# Altium PCB ADV7611采集卡.PcbDoc (part 2 of 2) (continued)
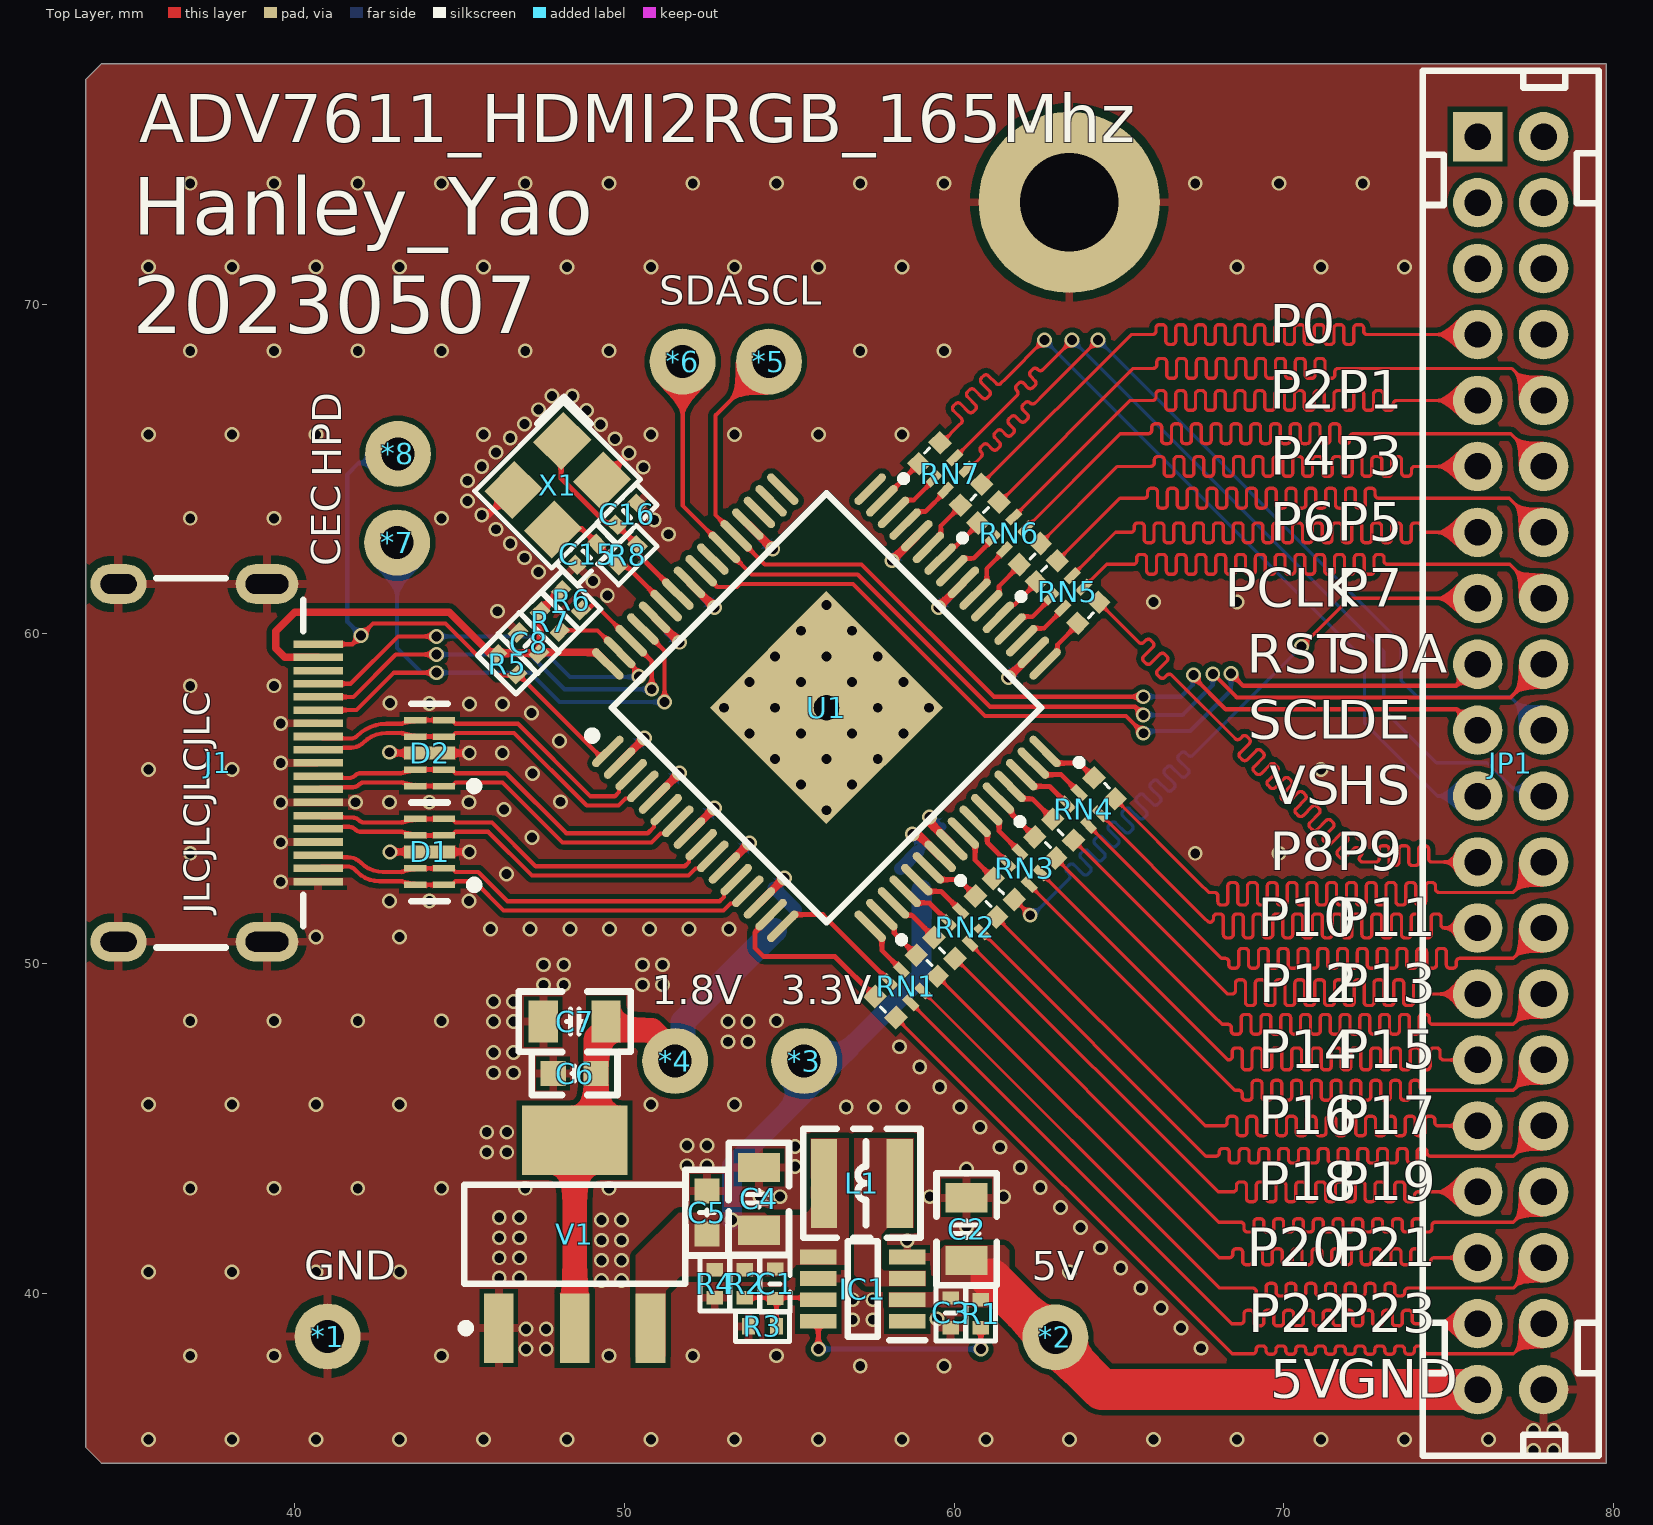
[diagram p0: Top Layer view]
## Nets (pads, with @x,y where several pads share a name; then routed paths per layer and width w, separated by ;. In a path a pad name is that pad's centre, name@x,y a point inside that pad or via, vN(x,y) a via of type N, cw(c..) or ccw(c..) an arc to the next point about the centre after c; other vN are vias at no path point) (continued)
HDMI2RGB_P20: JP1.35 RN1.8 | length 27.7
  Top Layer w0.1: RN1.8@59.49,49.615 68.031,41.074 68.294,41.074 68.344,41.074 ccw(c68.344,41.179) 68.449,41.179 68.449,41.242 cw(c68.554,41.242) 68.554,41.347 68.644,41.347 cw(c68.644,41.242) 68.749,41.242 68.749,40.968 ccw(c68.854,40.968) 68.854,40.863 68.944,40.863 ccw(c68.944,40.968) 69.049,40.968 69.049,41.242 cw(c69.154,41.242) 69.154,41.347 69.244,41.347 cw(c69.244,41.242) 69.349,41.242 69.349,40.968 ccw(c69.454,40.968) 69.454,40.863 69.544,40.863 ccw(c69.544,40.968) 69.649,40.968 69.649,41.242 cw(c69.754,41.242) 69.754,41.347 69.844,41.347 cw(c69.844,41.242) 69.949,41.242 69.949,40.968 ccw(c70.054,40.968) 70.054,40.863 70.144,40.863 ccw(c70.144,40.968) 70.249,40.968 70.249,41.242 cw(c70.354,41.242) 70.354,41.347 70.444,41.347 cw(c70.444,41.242) 70.549,41.242 70.549,40.968 ccw(c70.654,40.968) 70.654,40.863 70.744,40.863 ccw(c70.744,40.968) 70.849,40.968 70.849,41.242 cw(c70.954,41.242) 70.954,41.347 71.044,41.347 cw(c71.044,41.242) 71.149,41.242 71.149,40.968 ccw(c71.254,40.968) 71.254,40.863 71.344,40.863 ccw(c71.344,40.968) 71.449,40.968 71.449,41.242 cw(c71.554,41.242) 71.554,41.347 71.644,41.347 cw(c71.644,41.242) 71.749,41.242 71.749,40.968 ccw(c71.854,40.968) 71.854,40.863 71.944,40.863 ccw(c71.944,40.968) 72.049,40.968 72.049,41.242 cw(c72.154,41.242) 72.154,41.347 72.244,41.347 cw(c72.244,41.242) 72.349,41.242 72.349,40.968 ccw(c72.454,40.968) 72.454,40.863 72.544,40.863 ccw(c72.544,40.968) 72.649,40.968 72.649,41.242 cw(c72.754,41.242) 72.754,41.347 72.844,41.347 cw(c72.844,41.242) 72.949,41.242 72.949,40.968 ccw(c73.054,40.968) 73.054,40.863 73.144,40.863 ccw(c73.144,40.968) 73.249,40.968 73.249,41.242 cw(c73.354,41.242) 73.354,41.347 73.444,41.347 cw(c73.444,41.242) 73.549,41.242 73.549,40.968 ccw(c73.654,40.968) 73.654,40.863 73.744,40.863 ccw(c73.744,40.968) 73.849,40.968 73.849,41.242 cw(c73.954,41.242) 73.954,41.347 74.044,41.347 cw(c74.044,41.242) 74.149,41.242 74.149,40.968 ccw(c74.254,40.968) 74.254,40.863 74.344,40.863 ccw(c74.344,40.968) 74.449,40.968 74.449,40.969 cw(c74.554,40.969) 74.554,41.074 75.006,41.074 JP1.35@75.876,41.074
HDMI2RGB_P21: JP1.36 RN1.7 | length 27.3
  Top Layer w0.1: RN1.7@59.038,49.164 68.049,40.154 68.708,40.154 69.058,40.154 cw(c69.058,40.049) 69.163,40.049 69.163,40.021 ccw(c69.268,40.021) 69.268,39.916 69.358,39.916 ccw(c69.358,40.021) 69.463,40.021 69.463,40.192 cw(c69.568,40.192) 69.568,40.297 69.658,40.297 cw(c69.658,40.192) 69.763,40.192 69.763,40.021 ccw(c69.868,40.021) 69.868,39.916 69.958,39.916 ccw(c69.958,40.021) 70.063,40.021 70.063,40.192 cw(c70.168,40.192) 70.168,40.297 70.258,40.297 cw(c70.258,40.192) 70.363,40.192 70.363,40.021 ccw(c70.468,40.021) 70.468,39.916 70.558,39.916 ccw(c70.558,40.021) 70.663,40.021 70.663,40.192 cw(c70.768,40.192) 70.768,40.297 70.858,40.297 cw(c70.858,40.192) 70.963,40.192 70.963,40.021 ccw(c71.068,40.021) 71.068,39.916 71.158,39.916 ccw(c71.158,40.021) 71.263,40.021 71.263,40.192 cw(c71.368,40.192) 71.368,40.297 71.458,40.297 cw(c71.458,40.192) 71.563,40.192 71.563,40.021 ccw(c71.668,40.021) 71.668,39.916 71.758,39.916 ccw(c71.758,40.021) 71.863,40.021 71.863,40.192 cw(c71.968,40.192) 71.968,40.297 72.058,40.297 cw(c72.058,40.192) 72.163,40.192 72.163,40.021 ccw(c72.268,40.021) 72.268,39.916 72.358,39.916 ccw(c72.358,40.021) 72.463,40.021 72.463,40.192 cw(c72.568,40.192) 72.568,40.297 72.658,40.297 cw(c72.658,40.192) 72.763,40.192 72.763,40.021 ccw(c72.868,40.021) 72.868,39.916 72.958,39.916 ccw(c72.958,40.021) 73.063,40.021 73.063,40.192 cw(c73.168,40.192) 73.168,40.297 73.258,40.297 cw(c73.258,40.192) 73.363,40.192 73.363,40.021 ccw(c73.468,40.021) 73.468,39.916 73.558,39.916 ccw(c73.558,40.021) 73.663,40.021 73.663,40.049 cw(c73.768,40.049) 73.768,40.154 74.213,40.154 76.956,40.154 JP1.36@77.876,41.074
HDMI2RGB_P22: JP1.37 RN1.6 | length 27.9
  Top Layer w0.1: RN1.6@58.685,48.811 68.422,39.074 68.635,39.074 68.685,39.074 ccw(c68.685,39.179) 68.79,39.179 68.79,39.373 cw(c68.895,39.373) 68.895,39.478 68.985,39.478 cw(c68.985,39.373) 69.09,39.373 69.09,39.113 ccw(c69.195,39.113) 69.195,39.008 69.285,39.008 ccw(c69.285,39.113) 69.39,39.113 69.39,39.373 cw(c69.495,39.373) 69.495,39.478 69.585,39.478 cw(c69.585,39.373) 69.69,39.373 69.69,39.113 ccw(c69.795,39.113) 69.795,39.008 69.885,39.008 ccw(c69.885,39.113) 69.99,39.113 69.99,39.373 cw(c70.095,39.373) 70.095,39.478 70.185,39.478 cw(c70.185,39.373) 70.29,39.373 70.29,39.113 ccw(c70.395,39.113) 70.395,39.008 70.485,39.008 ccw(c70.485,39.113) 70.59,39.113 70.59,39.373 cw(c70.695,39.373) 70.695,39.478 70.785,39.478 cw(c70.785,39.373) 70.89,39.373 70.89,39.113 ccw(c70.995,39.113) 70.995,39.008 71.085,39.008 ccw(c71.085,39.113) 71.19,39.113 71.19,39.373 cw(c71.295,39.373) 71.295,39.478 71.385,39.478 cw(c71.385,39.373) 71.49,39.373 71.49,39.113 ccw(c71.595,39.113) 71.595,39.008 71.685,39.008 ccw(c71.685,39.113) 71.79,39.113 71.79,39.373 cw(c71.895,39.373) 71.895,39.478 71.985,39.478 cw(c71.985,39.373) 72.09,39.373 72.09,39.113 ccw(c72.195,39.113) 72.195,39.008 72.285,39.008 ccw(c72.285,39.113) 72.39,39.113 72.39,39.373 cw(c72.495,39.373) 72.495,39.478 72.585,39.478 cw(c72.585,39.373) 72.69,39.373 72.69,39.113 ccw(c72.795,39.113) 72.795,39.008 72.885,39.008 ccw(c72.885,39.113) 72.99,39.113 72.99,39.373 cw(c73.095,39.373) 73.095,39.478 73.185,39.478 cw(c73.185,39.373) 73.29,39.373 73.29,39.113 ccw(c73.395,39.113) 73.395,39.008 73.485,39.008 ccw(c73.485,39.113) 73.59,39.113 73.59,39.373 cw(c73.695,39.373) 73.695,39.478 73.785,39.478 cw(c73.785,39.373) 73.89,39.373 73.89,39.179 ccw(c73.995,39.179) 73.995,39.074 74.666,39.074 JP1.37@75.876,39.074
HDMI2RGB_P23: JP1.38 RN1.5 | length 27.1
  Top Layer w0.1: RN1.5@58.234,48.36 68.433,38.16 69.003,38.16 69.053,38.16 ccw(c69.053,38.265) 69.158,38.265 69.158,38.294 cw(c69.263,38.294) 69.263,38.399 69.353,38.399 cw(c69.353,38.294) 69.458,38.294 69.458,38.252 ccw(c69.563,38.252) 69.563,38.147 69.653,38.147 ccw(c69.653,38.252) 69.758,38.252 69.758,38.294 cw(c69.863,38.294) 69.863,38.399 69.953,38.399 cw(c69.953,38.294) 70.058,38.294 70.058,38.252 ccw(c70.163,38.252) 70.163,38.147 70.253,38.147 ccw(c70.253,38.252) 70.358,38.252 70.358,38.294 cw(c70.463,38.294) 70.463,38.399 70.553,38.399 cw(c70.553,38.294) 70.658,38.294 70.658,38.252 ccw(c70.763,38.252) 70.763,38.147 70.853,38.147 ccw(c70.853,38.252) 70.958,38.252 70.958,38.294 cw(c71.063,38.294) 71.063,38.399 71.153,38.399 cw(c71.153,38.294) 71.258,38.294 71.258,38.252 ccw(c71.363,38.252) 71.363,38.147 71.453,38.147 ccw(c71.453,38.252) 71.558,38.252 71.558,38.294 cw(c71.663,38.294) 71.663,38.399 71.753,38.399 cw(c71.753,38.294) 71.858,38.294 71.858,38.252 ccw(c71.963,38.252) 71.963,38.147 72.053,38.147 ccw(c72.053,38.252) 72.158,38.252 72.158,38.294 cw(c72.263,38.294) 72.263,38.399 72.353,38.399 cw(c72.353,38.294) 72.458,38.294 72.458,38.252 ccw(c72.563,38.252) 72.563,38.147 72.653,38.147 ccw(c72.653,38.252) 72.758,38.252 72.758,38.294 cw(c72.863,38.294) 72.863,38.399 72.953,38.399 cw(c72.953,38.294) 73.058,38.294 73.058,38.252 ccw(c73.163,38.252) 73.163,38.147 73.253,38.147 ccw(c73.253,38.252) 73.358,38.252 73.358,38.294 cw(c73.463,38.294) 73.463,38.399 73.553,38.399 cw(c73.553,38.294) 73.658,38.294 73.658,38.252 ccw(c73.763,38.252) 73.763,38.147 73.853,38.147 ccw(c73.853,38.252) 73.958,38.252 73.958,38.294 cw(c74.063,38.294) 74.063,38.399 74.153,38.399 cw(c74.153,38.294) 74.258,38.294 74.258,38.265 ccw(c74.363,38.265) 74.363,38.16 74.992,38.16 76.963,38.16 JP1.38@77.876,39.074
HDMI2RGB_PCLK: JP1.15 RN3.5 | length 26.8
  Top Layer w0.1: RN3.5@61.825,51.94 61.826,51.94 v1(62.306,51.46) ; v1(70.536,59.614) 71.996,61.074 JP1.15@75.876,61.074
  Bottom Layer w0.1: v1(62.306,51.46) 62.382,51.46 63.449,52.527 63.485,52.563 ccw(c63.41,52.637) 63.485,52.711 63.421,52.775 cw(c63.495,52.849) 63.421,52.923 63.485,52.987 cw(c63.559,52.913) 63.633,52.987 63.909,52.711 ccw(c63.983,52.785) 64.057,52.711 64.121,52.775 ccw(c64.047,52.849) 64.121,52.923 63.845,53.199 cw(c63.919,53.273) 63.845,53.347 63.909,53.411 cw(c63.983,53.337) 64.057,53.411 64.333,53.135 ccw(c64.407,53.21) 64.482,53.135 64.545,53.199 ccw(c64.471,53.273) 64.545,53.347 64.269,53.623 cw(c64.344,53.697) 64.269,53.772 64.333,53.835 cw(c64.407,53.761) 64.482,53.835 64.757,53.56 ccw(c64.832,53.634) 64.906,53.56 64.969,53.623 ccw(c64.895,53.697) 64.969,53.772 64.694,54.047 cw(c64.768,54.122) 64.694,54.196 64.757,54.26 cw(c64.832,54.185) 64.906,54.26 65.182,53.984 ccw(c65.256,54.058) 65.33,53.984 65.394,54.047 ccw(c65.32,54.122) 65.394,54.196 65.118,54.472 cw(c65.192,54.546) 65.118,54.62 65.182,54.684 cw(c65.256,54.61) 65.33,54.684 65.606,54.408 ccw(c65.68,54.482) 65.754,54.408 65.818,54.472 ccw(c65.744,54.546) 65.818,54.62 65.542,54.896 cw(c65.616,54.97) 65.542,55.045 65.606,55.108 cw(c65.68,55.034) 65.754,55.108 66.03,54.832 ccw(c66.104,54.907) 66.179,54.832 66.242,54.896 ccw(c66.168,54.97) 66.242,55.045 65.967,55.32 cw(c66.041,55.395) 65.966,55.469 66.03,55.532 cw(c66.104,55.458) 66.179,55.532 66.454,55.257 ccw(c66.529,55.331) 66.603,55.257 66.667,55.32 ccw(c66.592,55.395) 66.667,55.469 66.391,55.745 cw(c66.465,55.819) 66.391,55.893 66.454,55.957 cw(c66.529,55.882) 66.603,55.957 66.879,55.681 ccw(c66.953,55.755) 67.027,55.681 67.091,55.745 ccw(c67.017,55.819) 67.091,55.893 66.815,56.169 cw(c66.889,56.243) 66.815,56.317 66.879,56.381 cw(c66.953,56.307) 67.027,56.381 67.091,56.317 ccw(c67.165,56.392) 67.239,56.317 67.373,56.451 v1(70.536,59.614)
HDMI2RGB_VS: JP1.21 RN7.8 | length 27.2
  Top Layer w0.1: RN7.8@59.569,65.791 59.618,65.791 60.174,66.346 60.209,66.382 ccw(c60.135,66.456) 60.209,66.53 59.979,66.761 cw(c60.053,66.835) 59.979,66.909 60.042,66.973 cw(c60.117,66.899) 60.191,66.973 60.43,66.733 ccw(c60.505,66.808) 60.579,66.733 60.643,66.797 ccw(c60.568,66.871) 60.643,66.945 60.403,67.185 cw(c60.477,67.259) 60.403,67.334 60.467,67.397 cw(c60.541,67.323) 60.615,67.397 60.855,67.158 ccw(c60.929,67.232) 61.003,67.158 61.067,67.221 ccw(c60.993,67.295) 61.067,67.37 60.827,67.609 cw(c60.902,67.684) 60.827,67.758 60.891,67.821 cw(c60.965,67.747) 61.039,67.821 61.27,67.591 ccw(c61.344,67.665) 61.419,67.591 61.564,67.736 v1(62.738,68.91)
  Bottom Layer w0.1: v1(62.738,68.91) 72.441,59.207 72.441,57.302 74.669,55.074 JP1.21@75.876,55.074
HDMI_RX0_N: D2.2 D2.9 J1.9 U1.6 | length 11.8
  Top Layer w0.127: J1.9@40.707,55.683 ccw(c40.831,55.808) 40.831,55.632 41.459,55.632 41.468,55.622 41.649,55.622 ccw(c41.649,55.873) 41.827,55.696 cw(c42.004,55.519) 42.004,55.769 43.225,55.769 ccw(c43.225,55.958) 43.358,55.825 cw(c43.492,55.691) 43.492,55.88 D2.9@43.651,55.88 D2.2@44.526,55.88 44.764,55.88 44.874,55.769 46.415,55.769 48.235,53.949 50.707,53.949 50.893,54.135 50.893,54.291 U1.6@51.264,54.663
HDMI_RX0_P: D2.1 D2.10 J1.8 U1.7 | length 12.1
  Top Layer w0.127: J1.8@40.707,55.283 cw(c40.831,55.159) 40.831,55.335 41.459,55.335 41.468,55.344 41.765,55.344 ccw(c41.765,55.595) 41.942,55.417 cw(c42.119,55.24) 42.119,55.491 43.225,55.491 cw(c43.225,55.302) 43.358,55.435 ccw(c43.492,55.569) 43.492,55.38 D2.10@43.651,55.38 D2.1@44.526,55.38 44.764,55.38 44.874,55.491 46.3,55.491 48.12,53.67 50.822,53.67 51.09,53.938 51.247,53.938 U1.7@51.618,54.309
HDMI_RX1_N: D1.5 D1.6 J1.6 U1.9 | length 12.7
  Top Layer w0.127: J1.6@40.707,54.483 ccw(c40.831,54.608) 40.831,54.432 41.459,54.432 41.468,54.422 41.76,54.422 cw(c41.76,54.166) 41.942,54.347 ccw(c42.124,54.529) 42.124,54.272 43.225,54.272 ccw(c43.225,54.461) 43.358,54.327 cw(c43.492,54.194) 43.492,54.383 D1.6@43.651,54.383 D1.5@44.526,54.383 44.764,54.383 44.874,54.272 45.982,54.272 47.307,52.947 51.827,52.947 51.954,53.074 51.954,53.231 U1.9@52.325,53.602
HDMI_RX1_P: D1.4 D1.7 J1.5 U1.10 | length 12.9
  Top Layer w0.127: J1.5@40.707,54.083 cw(c40.831,53.959) 40.831,54.135 41.459,54.135 41.468,54.144 41.645,54.144 cw(c41.645,53.887) 41.827,54.069 ccw(c42.008,54.25) 42.008,53.993 43.225,53.993 cw(c43.225,53.805) 43.358,53.938 ccw(c43.492,54.072) 43.492,53.883 D1.7@43.651,53.883 D1.4@44.526,53.883 44.764,53.883 44.874,53.993 45.866,53.993 47.191,52.669 51.942,52.669 52.151,52.877 52.307,52.877 U1.10@52.679,53.249
HDMI_RX2_N: D1.2 D1.9 J1.3 U1.12 | length 13.6
  Top Layer w0.127: J1.3@40.707,53.283 ccw(c40.831,53.408) 40.831,53.232 41.459,53.232 41.468,53.222 41.601,53.222 cw(c41.601,52.653) 42.004,53.056 42.01,53.05 ccw(c42.681,53.721) 42.681,52.772 43.225,52.772 ccw(c43.225,52.961) 43.358,52.827 cw(c43.492,52.694) 43.492,52.883 D1.9@43.651,52.883 D1.2@44.526,52.883 44.764,52.883 44.874,52.772 45.564,52.772 46.45,51.887 52.887,51.887 53.014,52.014 53.014,52.17 U1.12@53.386,52.541
HDMI_RX2_P: D1.1 D1.10 J1.2 U1.13 | length 13.9
  Top Layer w0.127: J1.2@40.707,52.883 cw(c40.831,52.759) 40.831,52.935 41.459,52.935 41.468,52.944 41.6,52.944 cw(c41.6,52.649) 41.808,52.857 41.894,52.771 ccw(c42.565,53.442) 42.565,52.493 43.225,52.493 cw(c43.225,52.305) 43.358,52.438 ccw(c43.492,52.572) 43.492,52.383 D1.10@43.651,52.383 D1.1@44.526,52.383 44.764,52.383 44.874,52.493 45.449,52.493 46.334,51.608 53.003,51.608 53.211,51.817 53.368,51.817 U1.13@53.739,52.188
HDMI_RX_5V: C8.2 J1.18 R5.2 R6.2 R7.2 U1.64 | length 15.2
  Top Layer w0.23: J1.18@40.707,59.283 39.701,59.283 39.429,59.554 39.429,60.08 40.005,60.655 44.678,60.655 45.991,59.343 46.111,59.343 46.178,59.409 47.209,59.409 47.252,59.367 47.372,59.367 C8.2@47.443,59.437 ; C8.2@47.407,59.402 C8.2@47.443,59.437 ; R6.2@48.082,61.314 47.4,60.632 47.4,60.512 47.443,60.469 C8.2@47.443,59.437 ; U1.64@49.497,59.082 49.143,59.436 47.565,59.436 47.563,59.437 C8.2@47.443,59.437
HDMI_RX_CEC: *7.1 J1.14 U1.61 | length 18.5
  Top Layer w0.127: J1.14@40.707,57.683 41.869,57.683 43.005,58.819 v1(44.298,58.819) ; U1.61@50.557,60.143 51.217,59.483 v1(51.217,57.927)
  Bottom Layer w0.127: *7.1@43.104,62.763 43.104,59.563 43.848,58.819 v1(44.298,58.819) 47.139,58.819 48.031,57.927 v1(51.217,57.927)
HDMI_RX_HPD: *8.1 J1.19 R5.1 U1.1 | length 18
  Top Layer w0.127: J1.19@40.707,59.683 41.751,59.683 v1(42.012,59.944) 42.375,60.307 44.573,60.307 46.142,58.738 46.708,58.738 46.756,58.786 U1.1@49.264,56.278 ; U1.1@49.264,56.278 49.416,56.431 U1.1@49.497,56.431 49.344,56.278 U1.1@49.264,56.278
  Bottom Layer w0.127: v1(42.012,59.944) 41.59,60.365 41.59,64.831 41.939,65.18 42.853,65.18 *8.1@43.129,65.456
HDMI_RX_SCL: J1.15 R6.1 U1.62 | length 14.9
  Top Layer w0.127: J1.15@40.707,58.083 41.776,58.083 43.062,59.369 v1(44.298,59.369) ; R6.1@48.683,60.713 48.874,60.713 49.077,60.916 U1.62@50.204,59.789 50.828,59.165 v1(50.828,58.316)
  Bottom Layer w0.127: v1(44.298,59.369) 47.128,59.369 48.181,58.316 v1(50.828,58.316)
HDMI_RX_SDA: J1.16 R7.1 U1.63 | length 13.9
  Top Layer w0.127: J1.16@40.707,58.483 41.694,58.483 43.129,59.919 v1(44.298,59.919) ; R7.1@48.036,60.066 48.072,60.102 49.184,60.102 U1.63@49.85,59.436 49.85,59.402 50.377,58.875 50.377,58.766 v1(50.439,58.705)
  Bottom Layer w0.127: v1(44.298,59.919) 47.117,59.919 48.347,58.689 50.423,58.689 v1(50.439,58.705)
HDMI_RXC_N: D2.5 D2.6 J1.12 U1.3 | length 11
  Top Layer w0.127: J1.12@40.707,56.883 ccw(c40.831,57.008) 40.831,56.832 41.459,56.832 41.468,56.823 41.707,56.823 ccw(c41.707,57.073) 41.885,56.896 cw(c42.785,55.996) 42.785,57.269 43.225,57.269 ccw(c43.225,57.458) 43.358,57.325 cw(c43.492,57.191) 43.492,57.38 D2.6@43.651,57.38 D2.5@44.526,57.38 44.764,57.38 44.874,57.269 46.769,57.269 48.97,55.069 49.705,55.069 49.832,55.196 49.832,55.352 U1.3@50.204,55.723
HDMI_RXC_P: D2.4 D2.7 J1.11 U1.4 | length 11.2
  Top Layer w0.127: J1.11@40.707,56.483 cw(c40.831,56.359) 40.831,56.535 41.459,56.535 41.468,56.544 41.708,56.544 ccw(c41.708,57.072) 42.081,56.699 cw(c42.786,55.995) 42.786,56.991 43.225,56.991 cw(c43.225,56.802) 43.358,56.935 ccw(c43.492,57.069) 43.492,56.88 D2.7@43.651,56.88 D2.4@44.526,56.88 44.764,56.88 44.874,56.991 46.654,56.991 48.854,54.79 49.821,54.79 50.029,54.999 50.186,54.999 U1.4@50.557,55.37
HDMI_VCC_1V8: C17.2 C18.2 C19.2 C20.2 C21.2 C22.2 C23.2 FB2.2 U1.2 U1.14 U1.24 U1.40 U1.52 U1.57 U1.60 | length 11.7
  Top Layer w0.254: U1.2@49.85,56.077 v1(50.607,56.836) ; U1.60@50.911,60.496 v1@51.668,59.739 ; U1.57@51.972,61.557 v1@52.729,60.8 ; U1.52@53.739,63.325 v1@54.497,62.568 ; U1.14@54.093,51.834 54.093,51.836 54.85,52.593 v1(54.85,52.595) ; v1(59.25,54.445) 59.288,54.408 59.288,54.244 59.927,53.605 U1.24@59.927,53.602 ; v1@59.523,60.8 U1.40@60.28,61.557
  Bottom Layer w0.254: C20.2@50.278,56.537 50.293,56.537 50.592,56.836 v1(50.607,56.836) ; C23.2@51.33,60.022 51.359,60.022 51.641,59.739 v1(51.67,59.739) ; C21.2@52.407,61.099 52.419,61.099 52.719,60.8 v1(52.731,60.8) ; C22.2@54.167,62.86 54.187,62.86 54.479,62.568 v1(54.499,62.568) ; C19.2@54.535,52.28 v1(54.85,52.595) ; v1(59.25,54.445) 59.548,54.148 C18.2@59.646,54.148 ; v1(59.523,60.798) 59.528,60.798 59.821,61.091 C17.2@59.826,61.091
  Bottom Layer w0.4: C19.2@54.535,52.28 54.57,52.245 54.58,52.245 FB2.2@55.186,51.638
HDMI_VCC_3V3: C9.2 C10.2 C11.2 C12.2 C13.2 C14.2 FB1.2 U1.5 U1.8 U1.11 U1.23 U1.34 U1.44 | length 14.1
  Top Layer w0.127: v1@58.032,62.212 v1(58.109,62.212)
  Top Layer w0.254: U1.5@50.911,55.016 v1@51.668,55.773 ; U1.8@51.972,53.956 v1@52.729,54.713 ; U1.11@53.032,52.895 v1@53.789,53.652 ; v1@58.109,62.214 U1.44@58.866,62.971 ; v1(58.73,53.925) 58.767,53.887 58.932,53.887 59.57,53.249 U1.23@59.573,53.249 ; v1@61.644,58.679 U1.34@62.401,59.436
  Power2 w0.5: v1(51.668,55.775) 52.154,56.261 ; v1(52.729,54.715) 53.215,55.201 ; v1(53.789,53.654) 54.275,54.14 ; 57.623,61.726 v1(58.109,62.212) ; 58.244,54.41 v1(58.73,53.925) ; 61.158,58.191 v1(61.644,58.677)
  Bottom Layer w0.152: C14.2@59.017,53.519 C14.2@59.017,53.637
  Bottom Layer w0.254: C10.2@51.356,55.459 51.356,55.461 51.668,55.774 v1(51.668,55.775) ; C13.2@52.415,54.401 v1(52.729,54.715) ; C12.2@53.475,53.34 v1(53.789,53.654) ; v1(58.109,62.212) C9.2@58.407,62.51 ; v1(58.73,53.925) C14.2@59.017,53.637 ; C14.2@59.017,53.501 C14.2@59.017,53.519 ; v1(61.644,58.677) 61.647,58.677 61.942,58.972 C11.2@61.945,58.972
  Bottom Layer w0.4: FB1.2@58.375,52.878 C14.2@58.897,53.4
NetC1_2: C1.2 IC1.7 R2.2 R3.2 | length 3.1
  Top Layer w0.127: R2.2@53.652,39.859 C1.2@54.61,39.859 ; C1.2@54.585,39.903 54.61,39.878 C1.2@54.61,39.859 ; R3.2@54.61,38.989 C1.2@54.61,39.859 ; IC1.7@55.778,39.827 55.746,39.859 C1.2@54.61,39.859
NetC15_1: C15.1 R8.2 U1.59 X1.3 | length 4.4
  Top Layer w0.152: X1.3@47.83,63.16 47.865,63.195 48.705,63.195 C15.1@49.175,62.725 49.175,62.712 49.79,62.097 R8.2@49.79,62.083 49.825,62.048 50.066,62.048 U1.59@51.264,60.85
NetC16_1: C16.1 R8.1 U1.58 X1.1 | length 6.3
  Top Layer w0.152: X1.1@48.113,65.847 48.077,65.811 48.077,64.714 49.451,63.34 49.727,63.34 C16.1@49.762,63.305 ; C16.1@49.754,63.305 C16.1@49.762,63.305 ; U1.58@51.618,61.204 50.426,62.395 50.426,62.649 R8.1@50.391,62.684 50.383,62.684 C16.1@49.762,63.305
NetIC1_3: IC1.3 L1.1
NetIC1_8: IC1.8 R1.1 | length 6.4
  Top Layer w0.152: IC1.8@55.876,39.148 55.88,39.145 v1(55.88,38.303) ; v1(60.808,38.303) R1.1@60.808,38.951
  Bottom Layer w0.152: v1(55.88,38.303) v1(60.808,38.303)
SCL: *5.1 JP1.19 U1.53 | length 31.9
  Top Layer w0.127: *5.1@54.381,68.25 52.756,66.624 52.756,63.601 U1.53@53.386,62.971 54.254,62.103 57.192,62.103 61.205,58.09 v1(65.735,58.09) ; v1(67.259,58.75) 67.259,58.683 68.234,57.709 75.241,57.709 JP1.19@75.876,57.074
  Bottom Layer w0.127: v1(65.735,58.09) 66.878,58.09 67.232,58.444 67.232,58.723 v1(67.259,58.75)
SDA: *6.1 JP1.18 U1.54 | length 34.5
  Top Layer w0.127: *6.1@51.765,68.25 51.765,63.885 U1.54@53.032,62.618 53.852,61.798 57.074,61.798 61.087,57.785 65.481,57.785 v1(65.735,57.531) ; v1(67.843,58.776) 67.861,58.776 68.572,58.064 76.867,58.064 JP1.18@77.876,59.074
  Bottom Layer w0.127: v1(65.735,57.531) 66.929,57.531 67.842,58.444 67.842,58.774 v1(67.843,58.776)
VCC_1V8_HDMI: *4.1 C6.2 C7.2 FB2.1 V1.2 V1.4 | length 17.9
  Top Layer w0.75: V1.2@48.489,38.938 V1.4@48.489,44.638 49.139,45.288 C6.2@49.139,46.66 49.145,46.666 49.145,47.75 C7.2@49.439,48.044 ; C7.2@49.439,48.235 C7.2@49.439,48.044 ; *4.1@51.198,47.041 *4.1@51.537,47.041 51.537,47.255 50.817,47.975 49.508,47.975 C7.2@49.439,48.044
  Bottom Layer w0.75: *4.1@51.537,47.041 51.776,47.28 51.776,48.228 FB2.1@54.55,51.002
VCC_3V3_HDMI: *3.1 C1.1 C4.2 C5.2 FB1.1 IC1.5 L1.2 R2.1 R4.2 V1.3 | length 12.4
  Bottom Layer w0.6: v1(53.264,42.215) 53.264,43.866 59.012,49.614 FB1.1@59.012,52.241
VCC_5V0: *2.1 C2.2 C3.2 IC1.2 JP1.39 R1.2 | length 16.2
  Top Layer w1.24: 61.112,40.437 64.475,37.074 JP1.39@75.876,37.074
pads on no net: IC1.1 J1.17 JP1.1 JP1.2 JP1.3 JP1.4 JP1.5 JP1.6 JP1.8 U1.48 U1.49 U1.50 U1.51 U1.55

## Polygon pours and split planes (outlines as drawn)
GND on Top Layer "GND_L01_P006" (solid, remove dead copper, pour order 6): 34.138,34.849 33.655,35.331 33.655,76.81 34.138,77.292 79.781,77.292 79.781,34.849
VCC_5V0 on Top Layer "VCC_5V0_L01_P002" (solid, pour order 2): 58.014,39.573 61.519,39.573 61.671,39.726 61.671,41.3 61.519,41.453 59.715,41.453 59.588,41.326 59.588,40.284 59.334,40.03 58.014,40.03
VCC_3V3_HDMI on Top Layer "VCC_3V3_HDMI_L01_P001" (solid, pour order 1): 54.254,42.443 51.639,42.443 50.343,41.147 50.343,38.049 50.495,37.897 51.054,37.897 51.244,38.087 51.244,40.068 51.689,40.513 54.864,40.513 55.22,40.869 56.871,40.869 56.871,44.704 55.651,44.704 55.651,42.596 55.423,42.367 54.331,42.367
NetIC1_3 on Top Layer "NETIC1_3_L01_P000" (solid, remove dead copper, pour order 0): 59.131,40.208 57.319,40.208 56.972,40.555 56.972,44.704 58.776,44.704 58.776,41.978 57.988,41.978 57.785,41.775 57.785,40.759 57.861,40.682 59.131,40.682
GND on Power2 "GND_L03_P008" (solid, remove dead copper, pour order 8): 34.138,34.849 33.655,35.331 33.655,76.81 34.138,77.292 79.781,77.292 79.781,34.849
HDMI_VCC_1V8 on Power2 "HDMI_VCC_1V8_L03_P005" (solid, pour order 5): 47.643,58.438 55.456,66.251 63.92,57.786 56.107,49.973
HDMI_VCC_3V3 on Power2 "HDMI_VCC_3V3_L03_P004" (solid, pour order 4): 50.36,57.804 56.089,63.533 61.891,57.732 56.161,52.003
GND on Bottom Layer "GND_L04_P009" (solid, remove dead copper, pour order 9): 34.138,34.849 33.655,35.331 33.655,76.81 34.138,77.292 79.781,77.292 79.781,34.849
GND on Power1 "GND_L02_P007" (solid, remove dead copper, pour order 7): 34.138,34.849 33.655,35.331 33.655,76.81 34.138,77.292 79.781,77.292 79.781,34.849

## Other copper
Top Layer:
  pour cut-out: 49.53,57.81 56.058,64.338 56.197,64.338 62.699,57.836 62.699,57.67 56.21,51.181 56.207,51.184 56.047,51.184 56.047,51.192 49.53,57.709
  pour cut-out: 51.675,59.753 49.376,62.052 48.915,62.052 48.56,62.408 48.336,62.408 48.063,62.134 47.543,62.134 45.568,64.11 45.568,64.541 47.972,66.946 48.32,66.946 50.339,64.926 50.339,64.411 50.089,64.16 50.089,63.937 50.409,63.617 50.409,63.106 52.719,60.796
Bottom Layer:
  rectangle net GND: 54.57,56.201 57.681,59.312

## Silkscreen, mask and mechanical layers (free items; w line width, h text height)
Top Overlay:
  text "ADV7611_HDMI2RGB_165Mhz" at 35.279,74.416 h2.5
  text "SDA" at 51.054,69.672 h1.52
  text "SCL" at 53.67,69.672 h1.52
  text "Hanley_Yao / 20230507" at 35.079,68.529 h3
  text "P0" at 69.566,68.428 h2
  text "P2" at 69.566,66.428 h2
  text "P1" at 71.596,66.428 h2
  text "HPD" at 41.707,64.745 h1.52 r90
  text "P4" at 69.59,64.428 h2
  text "P3" at 71.596,64.428 h2
  text "P6" at 69.583,62.428 h2
  text "P5" at 71.596,62.428 h2
  text "CEC" at 41.681,62.052 h1.52 r90
  text "PCLK" at 68.199,60.428 h2
  text "P7" at 71.596,60.428 h2
  text "RST" at 68.879,58.426 h2
  text "SDA" at 71.596,58.428 h2
  text "SCL" at 68.913,56.428 h2
  text "DE" at 71.596,56.428 h2
  text "VS" at 69.571,54.432 h2
  text "HS" at 71.596,54.428 h2
  text "P8" at 69.572,52.428 h2
  text "P9" at 71.596,52.428 h2
  text "JLCJLCJLCJLC" at 37.414,51.511 h0.8 r90
  text "P10" at 69.204,50.428 h2
  text "P11" at 71.596,50.428 h2
  text "1.8V" at 50.825,48.463 h1.52
  text "3.3V" at 54.737,48.463 h1.52
  text "P12" at 69.252,48.428 h2
  text "P13" at 71.596,48.428 h2
  text "P14" at 69.228,46.428 h2
  text "P15" at 71.596,46.428 h2
  text "P16" at 69.221,44.428 h2
  text "P17" at 71.596,44.428 h2
  text "P18" at 69.21,42.428 h2
  text "P19" at 71.596,42.428 h2
  text "P20" at 68.872,40.428 h2
  text "P21" at 71.596,40.428 h2
  text "GND" at 40.284,40.107 h1.52
  text "5V" at 62.357,40.081 h1.52
  text "P22" at 68.919,38.428 h2
  text "P23" at 71.596,38.428 h2
  text "5V" at 69.586,36.432 h2
  text "GND" at 71.596,36.428 h2
Mechanical 1:
  the board outline again, w0.1

## Text inside footprints (layer, text, board x,y; h text height)
J1: Top Courtyard "PCB Edge" at 32.751,57.915 h0.61 r270